# Altium PCB Stepper_Board.PcbDoc (part 1 of 2) (continued)
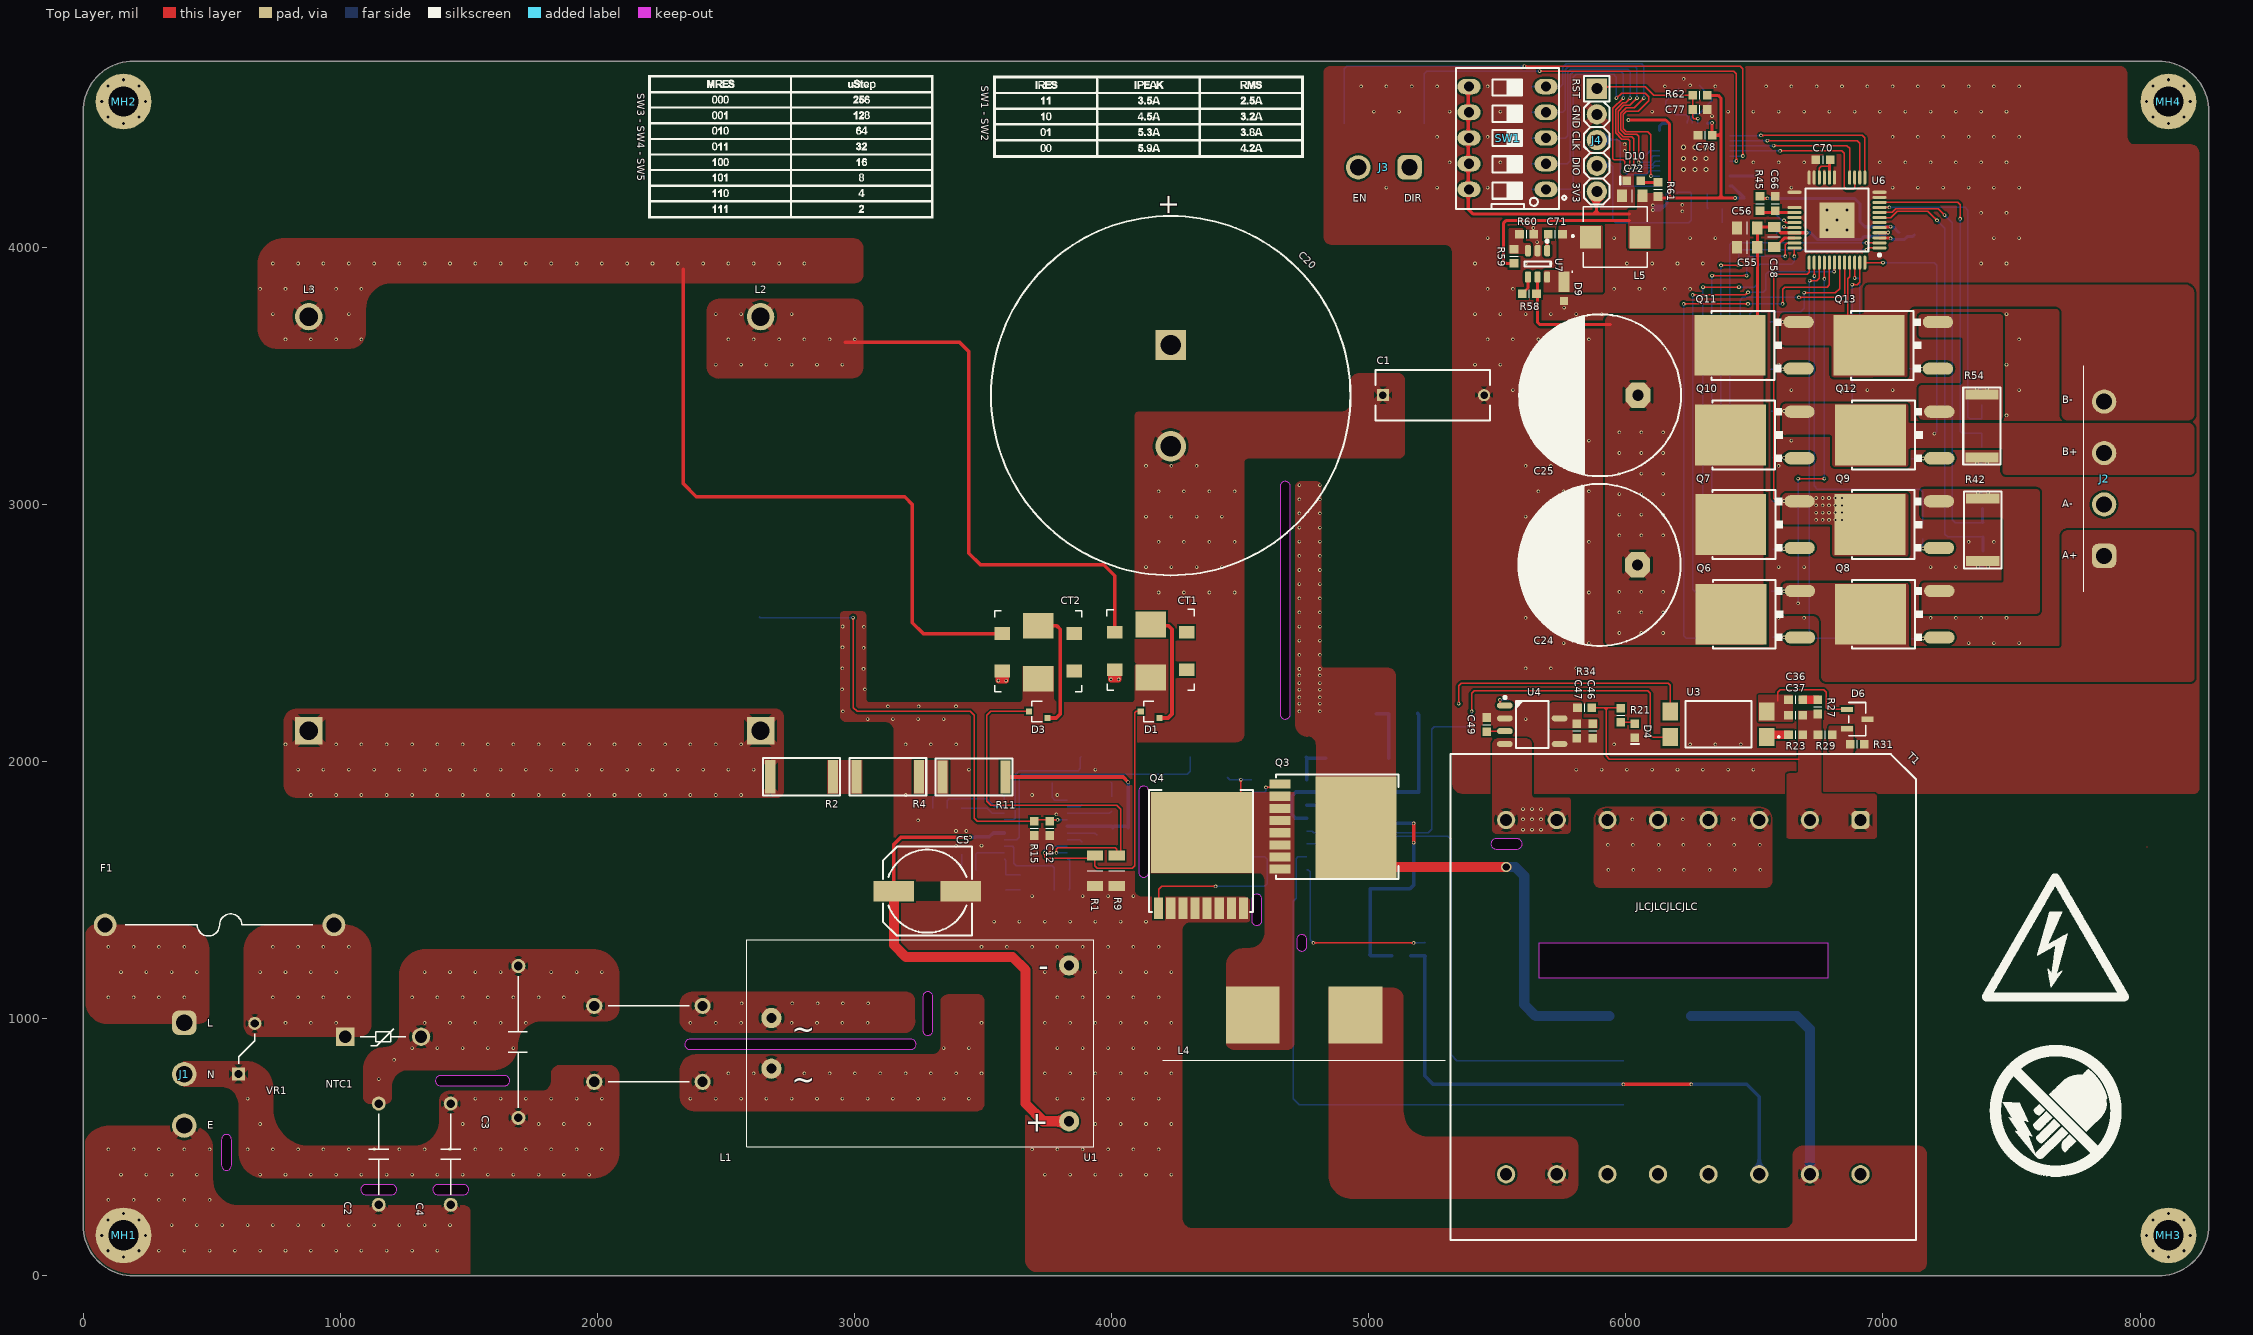
[diagram p0: Top Layer view]
## Footprints (in the part's own frame and the unit in brackets; to place one, negate y for a bottom-side part, rotate by r counter-clockwise, add the part's x,y. Pads: shape width x height; smd on the part's side, far side on the other; paste and mask are expansions set on the pad)
4-SMD_2 [mm] "Pitch 2.54mm"
  rect 1.52x1.78 smd: 1(-4.76,1.27) 2(-4.76,-1.27) 3(4.76,-1.27) 4(4.76,1.27)
  silkscreen extent -6.03,-2.29 3.25,2.29, body extent -5.08,-2.29 5.08,2.29, height 3.76
8-HSOF [mm] "8-HSOF"
  rect 0.9x2.1 smd: 1(0,0) 3(1.2,0) 3(2.4,0) 3(3.6,0) 3(4.8,0) 3(6,0) 3(7.2,0) 3(8.4,0)
  rect 10x8 smd: 2(4.25,7.5)
  silkscreen extent -0.95,-0.38 9.35,11.7, body extent -0.75,-0.83 9.15,10.85, height 2.3
8-SOIC [mm]
  rrect100% 1.55x0.6 smd: 1(-2.7,1.905) 2(-2.7,0.635) 3(-2.7,-0.635) 4(-2.7,-1.905) 5(2.7,-1.905) 7(2.7,0.635)
  rrect100% 1.55x0.6 on Mech1: 6(2.7,-0.635) 8(2.7,1.905)
  round 0.7 on Mech1: 28(-2.395,1.8)
  silkscreen extent -2.82,-2.3 1.61,2.82, body extent -3,-2.45 3,2.45, height 1.75
"14-SOIC (DDB)" [mm]
  oval 1.5x0.6 smd: 1(-2.7,4.445) 3(-2.7,1.905) 4(-2.7,0.635) 5(-2.7,-0.635) 6(-2.7,-1.905) 7(-2.7,-3.175) 8(-2.7,-4.445) 9(2.7,-4.445) 10(2.7,-3.175) 11(2.7,-1.905) 12(2.7,-0.635) 14(2.7,1.905) 15(2.7,3.175) 16(2.7,4.445)
  rrect50% 0.5x0.5 on Bottom Overlay: ""(-2.842,5.245)
  silkscreen extent -1.66,-4.44 1.6,4.54, body extent -3.01,-4.95 3.01,4.95, height 1.75
20-TSSOP [mm] "pitch 0.65 mm"
  oval 1.2x0.35 smd: 1(-3.1,2.925) 2(-3.1,2.275) 3(-3.1,1.625) 4(-3.1,0.975) 5(-3.1,0.325) 6(-3.1,-0.325) 7(-3.1,-0.975) 8(-3.1,-1.625) 9(-3.1,-2.275) 10(-3.1,-2.925) 11(3.1,-2.925) 12(3.1,-2.275) 13(3.1,-1.625) 14(3.1,-0.975) 15(3.1,-0.325) 16(3.1,0.325) 17(3.1,0.975) 18(3.1,1.625) 19(3.1,2.275) 20(3.1,2.925)
  round 0.5 on Mech1: ""(-2.8,2.8)
  silkscreen extent -3.22,-3.2 2,3.72, body extent -3.3,-3.3 3.3,3.3, height 1.2
48-TQFP [mm] "pitch 0.5 mm, power pad"
  round 0.7 hole 0.3 mask+0.102: 0(-1,1) 0(-1,-1) 0(0,0) 0(1,1) 0(1,-1)
  rect 3.5x3.5 smd: 0(0,0)
  oval 1.4x0.3 smd: 1(-4.2,2.75) 2(-4.2,2.25) 3(-4.2,1.75) 4(-4.2,1.25) 5(-4.2,0.75) 6(-4.2,0.25) 7(-4.2,-0.25) 8(-4.2,-0.75) 9(-4.2,-1.25) 10(-4.2,-1.75) 11(-4.2,-2.25) 12(-4.2,-2.75) 25(4.2,-2.75) 28(4.2,-1.25) 29(4.2,-0.75) 30(4.2,-0.25) 31(4.2,0.25) 32(4.2,0.75) 33(4.2,1.25) 34(4.2,1.75) 35(4.2,2.25) 36(4.2,2.75)
  oval 0.3x1.4 smd: 13(-2.75,-4.2) 14(-2.25,-4.2) 15(-1.75,-4.2) 16(-1.25,-4.2) 19(0.25,-4.2) 20(0.75,-4.2) 21(1.25,-4.2) 22(1.75,-4.2) 23(2.25,-4.2) 24(2.75,-4.2) 37(2.75,4.2) 38(2.25,4.2) 39(1.75,4.2) 40(1.25,4.2) 41(0.75,4.2) 42(0.25,4.2) 43(-0.25,4.2) 44(-0.75,4.2) 45(-1.25,4.2) 46(-1.75,4.2) 47(-2.25,4.2) 48(-2.75,4.2)
  oval 0.3x1.4 on Mech1: 17(-0.75,-4.2) 18(-0.25,-4.2)
  oval 1.4x0.3 on Mech1: 26(4.2,-2.25) 27(4.2,-1.75)
  round 0.5 on Mech1: ""(-4,4)
  silkscreen extent -4.33,-3.1 3.1,3.57, body extent -4.5,-4.5 4.5,4.5, height 1.2
744823601 [mm]
  round 1.6 hole 1: 1(0,0) 2(0,10.7) 3(7.5,10.7) 4(7.5,0)
  silkscreen extent 0,1.4 7.5,9.4, body extent -7.3,-3.15 14.8,13.85, height 26.51
691313510002 [mm] "5,08mm - PCB Headers - Horizontal - Closed ends - 02p"
  rrect50% 2.4x2.4 hole 1.6: 1(0,0)
  round 2.4 hole 1.6: 2(5.08,0)
  body extent -3.54,-19.88 8.62,2, height 15.35
691313510003 [mm] "5,08mm - PCB Headers - Horizontal - Closed ends - 03p"
  rrect50% 2.4x2.4 hole 1.6: 1(0,0)
  round 2.4 hole 1.6: 2(5.08,0) 3(10.16,0)
  body extent -3.54,-19.88 13.7,2, height 15.35
691313510004 [mm] "5,08mm - PCB Headers - Horizontal - Closed ends - 04p"
  rrect50% 2.4x2.4 hole 1.6: 1(0,0.1)
  round 2.4 hole 1.6: 2(5.08,0.1) 3(10.16,0.1) 4(15.24,0.1)
  silkscreen extent -3.54,2.1 18.78,2.1, body extent -3.54,-19.78 18.78,2.1, height 15.35
B72307S0271K101 [mm]
  rect 1.3x1.3 hole 0.8: 1(0,0)
  round 1.3 hole 0.8: 2(5,-1.6)
  silkscreen extent 1,-1.6 4,0, body extent -1.71,-2.88 6.79,1.52, height 14.66
C10MM [mm]
  rect 1.2x1.2 hole 0.75: 1(0,0)
  round 1.2 hole 0.75: 2(10,0)
  silkscreen extent -0.75,-2.5 10.6,2.5, body extent -0.4,-3 10.4,3, height 16
"CAP SMD 8" [mm] "Electrolytic Cap, Size E, Size F, 8.3X10"
  rect 4x2 smd: 1(-3.248,0.026) 2(3.352,0.026)
  Top Layer pour cut-out: 1.352,1.023 1.352,-0.973 -1.248,-0.973 -1.248,1.023
  silkscreen extent -4.35,-4.37 4.45,4.43, body extent -4.85,-4.22 4.85,4.28, height 10.3
"CAP: 10MM CERAMIC DISC" [mm]
  round 1.381 hole 0.85: 1(0,0) 2(10,0)
  silkscreen extent 1,-1 9,1, body extent -0.44,-2.5 10.44,2.5, height 15.12
"CAP: 10MM D: 35MM L: 25MM Snap In" [mm]
  rect 3x3 hole 2: 1(0,0)
  round 3 hole 2: 2(10,0)
  silkscreen extent -12.75,-17.75 22.75,17.75, body extent -12.98,-18 23,18, height 27.5
"CAP: 15MM FILM CAPACITOR" [mm]
  round 1.381 hole 0.85: 1(0,0) 2(15,0)
  silkscreen extent 1,-0.9 14,1, body extent -1.65,-2.61 16.65,2.6, height 11.1
"CAP: 0603" [mm]
  rect 0.85x0.85 smd: 1(-0.7,0) 2(0.7,0)
  Top Layer pour cut-out: -0.275,0.425 -0.275,-0.425 0.275,-0.425 0.275,0.425
  silkscreen extent 0,-0.4 0,0.4, body extent -0.8,-0.4 0.8,0.4, height 0.3
"CAP: 0805" [mm]
  rect 1x1.25 smd: 1(-1,0) 2(1,0)
  silkscreen extent 0,-0.62 0,0.63, body extent -1,-0.62 1,0.63, height 0.78
"CAP: 1206" [mm]
  rect 1x1.6 smd: 1(-1.5,0) 2(1.5,0)
  silkscreen extent 0,-0.77 0,0.77, body extent -1.6,-0.8 1.6,0.8, height 1
"CAP: 2220" [mm]
  rect 5x1.5 smd: 1(0,0) 2(0,-4.8)
  silkscreen extent -2.5,-3.75 2.5,-1, body extent -2.5,-5.25 2.5,0.45, height 2.3
"CAP: D16C7.5H25" [mm]
  oct 2.5x2.5 hole 1.1: 1(-3.75,0)
  round 2.5 hole 1.1: 2(3.75,0)
  silkscreen extent -8,-8 8,8, body extent -8.25,-8.25 8.25,8.25, height 27
"CON: PLS-5" [mm]
  rect 2x2 hole 1.1: 1(-5.08,0)
  round 2 hole 1.1: 2(-2.54,0) 3(0,0) 4(2.54,0) 5(5.08,0)
  silkscreen extent -6.35,-1.27 6.35,1.27, body extent -6.35,-1.27 6.35,1.27, height 8.54
"CT: PM2165.100NLT" [mm]
  rect 1.27x1.52 smd: 1(-1.85,-3.555) 3(1.85,-3.555) 4(1.85,3.555) 6(-1.85,3.555)
  rect 1.27x1.52 on Mech1: 2(0,-3.555) 5(0,3.555)
  rect 2.54x3.05 smd: 7(2.615,0) 8(-2.615,0)
  round 0.5 on Top Overlay: ""(-3.2,-3.8)
  silkscreen extent -4.1,-4.32 3.89,4.32, body extent -2.9,-4 2.9,4, height 5.08
D2PAK [mm]
  rect 4.5x1.3 smd: 1(1.5,2.5) 3(1.5,-2.5)
  rect 9.9x10.7 smd: 2(11,0)
  round 0.5 on Mech1: ""(0.5,4.5)
  silkscreen extent 5,-5 5.5,5, body extent 0,-5.08 15.26,5.08, height 4.99
DIPSW254_5 [mil]
  oval 90x60 hole 39.37: 1(-150,200) 2(-150,100) 3(-150,0) 4(-150,-100) 5(-150,-200) 6(150,-200) 7(150,-100) 8(150,0) 9(150,100) 10(150,200)
  silkscreen extent -228,-272 201,276, body extent -195,-268 195,272, height 276
DO-219AD-2 [mm]
  rect 2x1.1 smd: 1(-0.65,0)
  rect 0.8x0.8 smd: 2(1.25,0)
  silkscreen extent -1.7,0.75 -1.6,0.85, body extent -1.25,-0.65 1.25,0.65, height 0.68
DPAK_3 [mm] "D-PAK (TO-252), 3-Pads, Body 6.2x6.7mm"
  oval 1.2x3 smd: 1(-2.22,-3.3) 3(2.38,-3.3)
  rect 6x7 smd: 4(0.08,3.5)
  silkscreen extent -3.32,-1.67 3.48,5.3, body extent -3.29,-3.8 3.45,6.3, height 2.37
"FUSE HOLDER 5X20MM" [mm]
  round 2.25 hole 1.5: 1(0,0) 2(22.6,0)
  silkscreen extent 2,-1.1 20.5,1.1, body extent -0.9,-4.7 23.5,4.7, height 11.45
HLK-PM01 [mm]
  round 2 hole 1: 1(0,0) 2(0,-5) 3(29.4,5.2) 4(29.4,-10.2)
  silkscreen extent -2.45,-12.73 31.84,7.73, body extent -2.32,-12.6 31.68,7.6, height 15.23
"IND: ATCA-08-251M-H" [mm]
  rect 2.7x2.7 hole 1.8: 1(0,0)
  round 2.7 hole 1.8: 2(0,40.9)
  body extent -21.21,-0.8 21.21,41.7, height 21.66
"IND: PQ2614BLA100K" [mm]
  rect 5.33x5.59 smd: 1(-5.1,-12.128) 2(5.05,-12.128)
  rect 6.35x5.28 on Mech1: 3(-0.025,9.947)
  silkscreen extent -13.98,-7.67 13.92,-7.67, body extent -13.4,-14.75 13.4,12.42, height 15.1
"LED: 0603G" [mm]
  rect 0.85x0.85 smd: 1(-0.7,0) 2(0.7,0)
  silkscreen extent -1.33,-0.4 -1.33,0.4, body extent -0.8,-0.4 0.8,0.4, height 0.6
"LED: 0603R" [mm]
  rect 0.85x0.85 smd: 1(-0.7,0) 2(0.7,0)
  silkscreen extent -1.33,-0.4 -1.33,0.4, body extent -0.8,-0.4 0.8,0.4, height 0.6
"LED: 0603Y" [mm]
  rect 0.85x0.85 smd: 1(-0.7,0) 2(0.7,0)
  silkscreen extent -1.33,-0.4 -1.33,0.4, body extent -0.8,-0.4 0.8,0.4, height 0.6
"M3 MOUNTING HOLE" [mm]
  round 5.5 hole 3: 1(0,0)
MDH6045C [mm]
  rect 2.1x2.2 smd: 1(-2.45,0) 2(2.45,0)
  silkscreen extent -4.3,-3 3.15,3, body extent -3.15,-3.05 3.15,2.95, height 4.78
"NTC RADIAL: 7.5X1MM" [mm]
  rect 1.8x1.8 hole 1.2: 1(0,0)
  round 1.8 hole 1.2: 2(7.5,0)
  silkscreen extent 1.5,-0.9 6,0.8, body extent -5,-4 12.5,4, height 23.1
"OSC: 2016" [mm]
  rect 0.7x0.7 smd: 1(-0.8,-0.6) 2(-0.8,0.6) 3(0.8,0.6) 4(0.8,-0.6)
  round 0.5 on Bottom Overlay: ""(-0.762,-1.397)
  body extent -1,-0.8 1,0.8, height 0.65
"RES: 0603" [mm]
  rect 0.85x0.85 smd: 1(-0.7,0) 2(0.7,0)
  Top Layer pour cut-out: -0.275,0.425 -0.275,-0.425 0.275,-0.425 0.275,0.425
  silkscreen extent 0,-0.4 0,0.4, body extent -0.8,-0.4 0.8,0.4, height 0.44
"RES: 1206" [mm]
  rect 1x1.6 smd mask+0.07: 1(-1.5,0) 2(1.5,0)
  silkscreen extent 0,-0.77 0,0.77, body extent -1.65,-0.8 1.55,0.8, height 0.47
"RES: 2512" [mm]
  rect 1x3.3 smd: 1(-3.1,0) 2(3.1,0)
  silkscreen extent -3.8,-1.85 3.8,1.85, body extent -3.17,-1.6 3.18,1.6, height 0.52
SOT23(TO-236AB)_NEX [mil]
  rect 21x46 smd paste+0 mask+0: 1(-37.4,-40) 2(37.4,-40) 3(0,40)
  silkscreen extent -65,-33 64,33, body extent -59,-49 59,49, height 43
SOT23-6 [mm] "pitch 0.95 mm"
  rrect50% 1.1x0.6 smd: 1(-1.3,0.95) 2(-1.3,0) 3(-1.3,-0.95) 4(1.3,-0.95) 5(1.3,0) 6(1.3,0.95)
  round 0.5 on Mech1: ""(-1,1.1)
  silkscreen extent -2.36,-1.3 0.25,1.3, body extent -1.4,-1.45 1.4,1.45, height 1.45
SOT23_3 [mm]
  rrect50% 1.2x0.7 smd mask+0.1: 1(-1.3,1) 2(-1.3,-1) 3(1.3,0)
  silkscreen extent -0.8,-1.6 0.8,1.6, body extent -1.32,-1.5 1.32,1.5, height 1.08
SOT323 [mm]
  rect 0.6x0.6 smd: 1(-0.65,-0.925) 3(0,0.925)
  rect 0.6x0.6 on Mech1: 2(0.65,-0.925)
  silkscreen extent -1,-0.38 1,0.63, body extent -1,-1.05 1,1.05, height 1.09
STM32F411CEU6 [mm] "QFN, 48-Leads, Body 7.00x7.00mm, Pitch 0.50mm, Thermal Pad 5.80x5.80mm, IPC Medium Density"
  rrect50% 0.7x0.3 smd: 1(-3.47,2.75) 5(-3.47,0.75) 6(-3.47,0.25) 7(-3.47,-0.25) 8(-3.47,-0.75) 9(-3.47,-1.25) 28(3.47,-1.25) 34(3.47,1.75) 35(3.47,2.25) 36(3.47,2.75)
  rrect50% 0.7x0.3 on Mech1: 2(-3.47,2.25) 3(-3.47,1.75) 4(-3.47,1.25) 10(-3.47,-1.75) 11(-3.47,-2.25) 12(-3.47,-2.75) 25(3.47,-2.75) 26(3.47,-2.25) 27(3.47,-1.75) 29(3.47,-0.75) 30(3.47,-0.25) 31(3.47,0.25) 32(3.47,0.75) 33(3.47,1.25)
  rrect50% 0.3x0.7 on Mech1: 13(-2.75,-3.47) 20(0.75,-3.47) 21(1.25,-3.47) 38(2.25,3.47) 45(-1.25,3.47) 46(-1.75,3.47)
  rrect50% 0.3x0.7 smd: 14(-2.25,-3.47) 15(-1.75,-3.47) 16(-1.25,-3.47) 17(-0.75,-3.47) 18(-0.25,-3.47) 19(0.25,-3.47) 22(1.75,-3.47) 23(2.25,-3.47) 24(2.75,-3.47) 37(2.75,3.47) 39(1.75,3.47) 40(1.25,3.47) 41(0.75,3.47) 42(0.25,3.47) 43(-0.25,3.47) 44(-0.75,3.47) 47(-2.25,3.47) 48(-2.75,3.47)
  rect 5.8x5.8 smd: 49(0,0)
  silkscreen extent -3.99,-3.7 3.7,3.97, body extent -3.55,-3.55 3.55,3.55, height 0.6
TBSG-4 [mm]
  rect 2x2.4 smd: 1(2.9,4.3) 2(2.9,-4.3) 3(-2.9,-4.3) 4(-2.9,4.3)
  silkscreen extent -4.45,-3.2 4.45,3.2, body extent -4.45,-5.3 4.45,5.3, height 1.85
WE-LLCR_ETD44 [mm] "Resonant Converter, body 48x46mm"
  rrect50% 1.8x1.8 hole 1.2: 1(-17.5,17.5)
  round 1.8 hole 1.2: 2(-17.5,12.5) 3(-17.5,7.5) 4(-17.5,2.5) 5(-17.5,-2.5) 6(-17.5,-7.5) 7(-17.5,-12.5) 8(-17.5,-17.5) 9(17.5,-17.5) 10(17.5,-12.5) 11(17.5,-7.5) 12(17.5,-2.5) 13(17.5,2.5) 14(17.5,7.5) 15(17.5,12.5) 16(17.5,17.5)
  Keep-Out Layer board cut-out: -5.35,14.25 -1.85,14.25 -1.85,-14.25 -5.35,-14.25
  silkscreen extent -24,-23 24,23, body extent -23.3,-22 23.3,22, height 26.85

## Part data
C1: library part CD45-E2GA222M-NKA, "Safety Capacitors D: 9mm X1/Y1 2200pF E 20% LS:10mm", Supplier Part Number 1=810-CD45-E2GA222MNKA, Supplier 1=Mouser
C2 C4: library part VY1222M43Y5UC63V0, "Safety Capacitors 2200pF X760 Y500VAC 20% Y5U", Supplier Part Number 1=72-VY1222M43Y5UC63V0, Supplier 1=Mouser
C3: library part R46KI310050M1M, "Safety Capacitors 275vac 0.1uF 20%", Supplier Part Number 1=80-R46KI310050M1M, Supplier 1=Mouser
C5: library part EDK107M050A9MAA, "Aluminium Electrolytic Capacitors - SMD 50V 100uF 20%", Supplier Part Number 1=80-EDK107M050A9MAA, Supplier 1=Mouser
C6 C7 C8 C9 C10 C11 C12 C13 C14 C15 C21 C22 C23 C28 C33 C34 C35 C36 C37 C38 C39 C45 C46 C47 C49 C51 C52 C53 C60 C62 C63 C64 C66 C69 C70 C71 C73 C74 C75 C76 C77 C78 C79 C80 C81: library part "CAP 0603", "CAP SMD 0603"
C16 C17 C18 C19: library part GR355XD7LP105KW05L, "Multilayer Ceramic Capacitors MLCC - SMD/SMT 1 uF 450 VDC 10% 2220 X7T", Supplier Part Number 1=81-GR355X7LP105KW05L, Supplier 1=Mouser
C20: library part ESMR451VSN331MA25S, "Aluminium Electrolytic Capacitors - Snap In 450V 330uF 20% Tol.", Supplier Part Number 1=661-ESMR451N331MA25S, Supplier 1=Mouser
C24 C25: library part ESK477M100AM7AA, "Aluminium Electrolytic Capacitors - Radial Leaded 100V 470uF 85C 2k Hour Radial", Supplier Part Number 1=80-ESK477M100AM7AA, Supplier 1=Mouser
C26 C27 C40 C54 C55 C56 C57 C58 C59 C61 C65 C67 C68 C72: library part "CAP 0805", "CAP SMD 0805"
C29 C30 C31 C32 C41 C42 C43 C44 C50: library part "CAP 1206", "CAP SMD 1206"
C48: library part VJ1206A101JXGCW1HV, "Multilayer Ceramic Capacitors MLCC - SMD/SMT 1206 100pF 5 % 1000V NP0", Supplier Part Number 1=77-VJ1206A101JXGAT5Z, Supplier 1=Mouser
CT1 CT2: "Current Transformers 2mH 1000V AEC-Q200 20A DCR=0.75mOhms", Supplier Part Number 1=673-PM2165.100NLT, Supplier 1=Mouser
D1 D3: "Schottky Diodes & Rectifiers 30V 200mW Dual", Supplier Part Number 1=863-BAT54SWT1G, Supplier 1=Mouser
D2: library part VS-HFA16TA60CS-M3, "Schottky Diodes & Rectifiers 600V 16A TO-263 HexFred", Supplier Part Number 1=78-VS-HFA16TA60CS-M3, Supplier 1=Mouser
D4: library part "LED GREEN 0603", "LED GREEN CLEAR 0603 SMD"
D5 D7 D9: "Schottky Diodes & Rectifiers 150V 1A TMBS MicroSMP", Supplier Part Number 1=78-V1PM15-M3/H, Supplier 1=Mouser
D6: "Shunt Voltage Reference IC Adjustable 2.495V 36 VV ±1% 100 mA TO-236AB", Supplier Part Number 1=771-TL431AQDBZR215, Supplier 1=Mouser
D8: "ESD Protection Diodes / TVS Diodes ESD 5V BI", Supplier Part Number 1=771-PESD5V0U2BTT/R, Supplier 1=Mouser
D10: library part "LED RED 0603", "LED RED CLEAR 0603 SMD"
D11: library part "LED YELLOW 0603", "LED YELLOW CLEAR 0603 SMD"
F1: library part 0PTF0078P, "Fuse Holder 5X20MM Pitch 22/7 UL94V0 Open", Supplier Part Number 1=576-0PTF0078P, Supplier 1=Mouser
J1: library part 691313510003, "Pluggable Terminal Blocks WR-TBL 300VAC 20A 3P Right Angle", Supplier Part Number 1=710-691313510003, Supplier 1=Mouser
J2: library part 691313510004, "Pluggable Terminal Blocks WR-TBL 300VAC 20A 4P Right Angle", Supplier Part Number 1=710-691313510004, Supplier 1=Mouser
J3: library part 691313510002, "Pluggable Terminal Blocks WR-TBL 300VAC 20A 2P Right Angle", Supplier Part Number 1=710-691313510002, Supplier 1=Mouser
L1: library part 744823601, "Common Mode Chokes / Filters WE-CMB Choke Type M 1mH 6A 13mOhm", Supplier Part Number 1=710-744823601, Supplier 1=Mouser
L2 L3: library part ATCA-08-251M-H, "FIXED IND 250UH 10A 27 MOHM TH", Supplier Part Number 1=815-ATCA-08-251M-H, Supplier 1=Mouser
L4: library part PQ2614BLA-100K, "Power Inductors - SMD 10uH 10% 30A AEC-Q200 GULL WING", Supplier Part Number 1=652-PQ2614BLA-100K, Supplier 1=Mouser
L5: library part MDH6045C-470MA=P3, "Power Inductors - SMD 47uH 208mOhms 20 % 1A AEC-Q200", Supplier Part Number 1=81-MDH6045C-470MA=P3, Supplier 1=Mouser
MH1 MH2 MH3 MH4: library part "Mounting Hole M3", "Mounting Hole M3 Screw"
NTC1: "NTC (Negative Temperature Coefficient) Thermistors 15 dia Power NTC 6ohm Y kink bulk", Supplier Part Number 1=652-BN-LG15Y6R0MYB, Supplier 1=Mouser
Q1 Q2: "MOSFETs 600V CoolMOS CM8 Power Transistor", Supplier Part Number 1=726-IPT60R099CM8XTMA, Supplier 1=Mouser
Q3 Q4: "MOSFET N-CH 600V 8A 8HSOF", Supplier Part Number 1=726-IPT60R065S7XTMA1, Supplier 1=Mouser
Q5 Q6 Q7 Q8 Q9 Q10 Q11 Q12 Q13: "MOSFETs N-Ch 60V 45A DPAK-2", Supplier Part Number 1=726-IPD053N06NATMA1, Supplier 1=Mouser
R1 R9: library part CSRT1206FT5R00, "Current Sense Resistors - SMD 5Ohms 1206 1W 1% Thin Curr Sens AEC-Q200", Supplier Part Number 1=708-CSRT1206FT5R00, Supplier 1=Mouser
R2 R3 R4 R10 R11 R12 R22 R24 R28: library part "RES 2512", "RES SMD 2512"
R5 R6 R7 R8 R13 R14 R15 R16 R17 R18 R19 R20 R21 R23 R25 R26 R27 R29 R30 R31 R32 R33 R34 R40 R41 R43 R44 R45 R46 R47 R48 R49 R50 R51 R52 R53 R55 R56 R57 R58 R59 R60 R61 R62 R63 R64 R65 R66 R67 R68 R69: library part "RES 0603", "RES SMD 0603"
R35 R36 R37 R38: library part CRCW251216K9FKEG, "Thick Film Resistors CRCW2512 100 16K9 1% E67 e3", Supplier Part Number 1=71-CRCW251216K9FKEG, Supplier 1=Mouser
R39: library part "RES 1206", "RES SMD 1206"
R42 R54: library part TLRP3A20WR050FTE, "Current Sense Resistors - SMD TLRP 2512 2.0W R050 1% 75PPM 4K RL", Supplier Part Number 1=279-TLRP3A20WR050FTE, Supplier 1=Mouser
RECT1: library part TBSA60M-TP, "Bridge Rectifiers BRIDGE RECTIFIERS 1000V 6A, TBSG", Supplier Part Number 1=833-TBSA60M-TP, Supplier 1=Mouser
SW1: library part "DIP SW_5", "DIP Switch 5"
T1: library part 760895741, "WE-LLCR Resonant Converter, THT, ETD44, 360-400Vin, 24Vout, 250W", Auxiliary Voltage=16V, Case/Size Code=ETD44, Inductance=400uH, Input Voltage=360-400V, Leakage Inductance=65uH, Manufacturer="Wurth Elektronik", Operating Temperature Max=125°C, Operating Temperature Min=-40°C, Output Current=10.4A, Output Power=250W, Output Voltage=24V, Saturation Current=4.3A, Switching Frequency=70-120kHz, Category="Transformers For AC-DC Converter", ComponentLink1Description="Website Link", ComponentLink1URL=https://www.we-online.com/redexpert/article/760895741?ad, ComponentLink2Description="Datasheet Link", ComponentLink2URL=https://www.we-online.com/redexpert/spec/760895741?ad, Height=27.5mm, Length=48mm, Manufacturer Part Number=760895741, Match Code=WE-LLCR, Mount="Through Hole", Packaging=Tray, Turns Ratio=27:3:3:2, Width=46mm
U1: "AC-DC Module 3W 220Vac to 12Vdc", Supplier Part Number 1=C209905, Supplier 1=LCSC
U2: "Power Factor Correction - PFC 2Phase Interleaved C CM PFC Controller A 595-UCC28070PW", Supplier Part Number 1=595-UCC28070PWR, Supplier 1=Mouser
U3: "Transistor Output Optocouplers Phototransistor Out CTR 100-200%", Supplier Part Number 1=78-VO618A-3X017T, Supplier 1=Mouser
U4: "Gate Drivers High-frequency dual synchronous rectifi A 595-UCC24624DT", Supplier Part Number 1=595-UCC24624DR, Supplier 1=Mouser
U5: "Switching Controllers LLC resonant control ler with ultra-low s A 595-UCC256402ADDBT", Supplier Part Number 1=595-UCC256402ADDBR, Supplier 1=Mouser
U6: "Motor/Motion/Ignition Controllers & Drivers Stepper motor cDriver 8 to 60V, for external N-Fets with S/D and SPI Interface, 256 Steps, SixPoint ramp controller, CoolStep, StallGuard2, SpreadCycle and StealthChop2", Supplier Part Number 1=700-TMC5160A-TA-T, Supplier 1=Mouser
U7: "Switching Voltage Regulators 4.5-V to 60-V 600-m A buck converter in A 595-LV2862XLVDDCT", Supplier Part Number 1=595-LV2862XLVDDCR, Supplier 1=Mouser
U8: "IC MCU 32BIT 512KB FLSH 48UFQFPN", Case/Package=UFQFPN, Frequency=100MHz, Manufacturer=STMicroelectronics, Max Operating Temperature=85°C, Max Power Dissipation=625mW, Max Supply Voltage=3.6V, Min Operating Temperature=-40°C, Min Supply Voltage=1.7V, Operating Supply Voltage=3.3V, Package Quantity=1560, Supplier Part Number 1=497-14907-ND, Core Architecture=ARM, Data Bus Width=32b, Interface=I2C,SPI,USB,IrDA,MMC,SDIO,SD,UART,USART,LIN,I2S, Lead Free="Lead Free", Length=7mm, Manufacturer Part Number=STM32F411CEU6, Max Frequency=100MHz, Memory Size=512KB, Memory Type=FLASH, Mount="Surface Mount", Number of ADC Channels=16, Number of I/Os=36, Number of Pins=48, Number of Programmable I/O=36, Number of Timers/Counters=8, Oscillator Type=Internal, Packaging=Tray, Peripherals="Brown-out Detect/Reset,POR,PWM,WDT,DMA", Radiation Hardening=No, RAM Size=128KB, REACH SVHC="No SVHC", RoHS Compliant=Yes, Supplier 1=Digi-Key, Watchdog Timer=Yes, Width=7mm
VR1: library part B72307S0271K101, "Varistors 7mm, 275Vac, 10%, Compact Series", Supplier Part Number 1=871-B72307S0271K101, Supplier 1=Mouser
Y1: library part XC2119DKR-ND, "CRYSTAL 16.0000MHZ 10PF SMD", Supplier Part Number 1=520-160-10-37-RWM-T, Supplier 1=Mouser

## Via types
v1: diameter 13.78, hole 7.87, Top Layer to Bottom Layer, tented both sides, 799 vias
v2: diameter 23.62, hole 11.81, Top Layer to Bottom Layer, 32 vias
v3: diameter 19.68, hole 11.81, Top Layer to Bottom Layer, tented both sides, 9 vias
v4: diameter 39.37, hole 28, Top Layer to Bottom Layer, tented both sides, 1 vias
v5: diameter 13.78, hole 10, Top Layer to Bottom Layer, tented both sides, 1 vias

## Nets (pads, with @x,y where several pads share a name; then routed paths per layer and width w, separated by ;. In a path a pad name is that pad's centre, name@x,y a point inside that pad or via, vN(x,y) a via of type N, cw(c..) or ccw(c..) an arc to the next point about the centre after c; other vN are vias at no path point)
3V3: C72.2 C73.2 C74.2 C75.2 C76.2 C78.1 J4.5 L5.2 R59.2 R61.1 R62.1 SW1.6 SW1.7 SW1.8 SW1.9 SW1.10 U8.1 U8.9 U8.24 U8.36 U8.48 | length 3656.4
  Top Layer w11.81: SW1.6@5387.12,4634.71 5387.12,4147.88 5405,4130 5875,4130 ; R59.2@5565,3937.44 5532.56,3937.44 5525,3945 5525,4095 5535,4105 6015,4105 ; J4.5@5887.14,4224.12 5885,4221.97 5885,4140 ; v1(6010,4495) 6155,4495 6170,4480 6170,4201.75 ; 6015,4130 5895,4130 ; R61.1@6125,4197.44 6130.69,4191.75 6160,4191.75 ; R62.1@6315.83,4590.83 6359.17,4590.83 6370,4580 6370,4445 ; v1(6335.83,4484.17) C78.1@6335.83,4435.83 6360.83,4435.83 ; v1@6424.5,4191.75 6380,4191.75 ; 5875,4130 5895,4130 ; 5875,4130 5885,4140 ; 5885,4140 5895,4130 ; 6160,4191.75 6180,4191.75 ; 6160,4191.75 6170,4201.75 ; 6170,4201.75 6180,4191.75 ; 6180,4191.75 6360,4191.75 ; 6360,4191.75 6380,4191.75 ; 6360,4191.75 6370,4201.75 ; 6360.83,4435.83 6370,4426.65 ; 6360.83,4435.83 6369.17,4435.83 6370,4435 ; 6360.83,4435.83 6370,4445 ; 6370,4201.75 6370,4426.65 ; 6370,4201.75 6380,4191.75 ; 6370,4426.65 6370,4435 ; 6370,4435 6370,4445
  Bottom Layer w11.81: U8.48@6131.65,4454.09 6131.65,4471.65 6142.44,4482.44 U8.1@6160,4482.44 ; U8.36@6160,4209.21 6160,4170.12 C76.2@6149.88,4160 ; U8.9@6317.48,4482.44 6317.48,4484.17 v1(6335.83,4484.17) ; U8.24@6404.88,4237.56 6414.88,4237.56 C74.2@6460,4192.44 6458.83,4191.27 6426.05,4191.27 6425.57,4191.75 v1(6425.04,4191.75) ; 6105,4152.5 6105,4163.06 v1(6105.17,4163.22) 6105.7,4163.22 6108.92,4160 C76.2@6149.88,4160 ; 6105,4152.5 v1(6105,4145) 6134.88,4145 C76.2@6140.71,4150.83 ; 6105,4152.5 6139.04,4152.5 C76.2@6140.71,4150.83 ; C76.2@6140.71,4150.83 C76.2@6149.88,4160
5VOUT: C63.2 R45.2 U6.5 | length 684.1
  Top Layer w11.81: R45.2@6521.71,4197.79 6529.12,4190.38 6549.62,4190.38 v1(6550,4190) ; U6.5@6986.44,4076.33 7008.09,4076.33 7010.96,4079.2 7015.05,4079.2 7015.47,4079.62 7029.62,4079.62 v1(7030,4080)
  Bottom Layer w11.81: v1(6550,4190) 6890,4190 6910,4170 6910,4100 6930,4080 v1(7030,4080) 7030.38,4079.62 7039.76,4079.62 C63.2@7061.71,4057.67
12VOUT: C62.2 U6.3 | length 144.9
  Top Layer w11.81: U6.3@6986.44,4036.96 7008.09,4036.96 7009.67,4035.38 7029.62,4035.38 v1(7030,4035)
  Bottom Layer w11.81: v1@7030.38,4034.62 7030.91,4034.62 7035.5,4030.03 7082.96,4030.03 7094.18,4041.25 7115.3,4041.25 C62.2@7121.71,4047.67
BCK_CB: C71.2 U7.1 | length 65.7
  Top Layer w11.81: U7.1@5694.09,3986.81 5694.09,4046.28 C71.2@5698.52,4050.71
BCK_FB: R59.1 R60.2 U7.3
BCK_SHDN: R58.1 U7.4 | length 73.5
  Top Layer w11.81: R58.1@5597.44,3820 5619.29,3841.85 U7.4@5619.29,3884.45
BCK_SW: C71.1 D9.1 L5.1 U7.6
BLK_1: R22.1 R24.2
BLK_2: R24.1 R28.2
BOOT0: R63.2 U8.44 | length 63.9
  Bottom Layer w5: R63.2@6075.83,4355.83 6095.35,4375.35 U8.44@6131.65,4375.35
CA1: C68.1 U6.42 | length 2033.8
  Top Layer w5: v1(6260,3815) 6465,3815 v1(6475,3825) ; v1(6810,3905) 6810.62,3905.62 6810.62,3939.88 U6.42@6811.24,3940.5
  Bottom Layer w5: v1(6260,3815) 6260,2670 6270,2660 C68.1@6485.87,2660 ; v1(6475,3825) 6535,3825 6545,3835 6545,3895 6555.45,3905.45 6765.61,3905.45 6766.06,3905 v1(6810,3905)
CA2: C67.1 U6.35 | length 1457.7
  Top Layer w5: v1(6335,3890) v1(6470,3890) ; v1(6620,3965) 6620,4010 6626.2,4016.2 6654.65,4016.2 U6.35@6655.73,4017.27
  Bottom Layer w5: v1(6335,3890) 6335,3025 6345,3015 C67.1@6485.63,3015 ; v1(6470,3890) 6470,3955 6480,3965 v1(6620,3965)
CAOA: C15.2 C22.2 U2.12 | length 176.1
  Bottom Layer w5: C22.2@3475,1577.56 3472.56,1580 C15.2@3472.56,1640 3477.99,1645.43 U2.12@3582.95,1645.43
CAOA_CR: C15.1 R20.2 | length 63.5
  Bottom Layer w5: R20.2@3415,1577.56 3417.44,1580 C15.1@3417.44,1640
CAOB: C14.2 C21.2 U2.11 | length 121.3
  Bottom Layer w5: U2.11@3582.95,1619.84 cw(c3582.95,1615.24) 3587.56,1615.24 C21.2@3587.56,1560 3642.56,1560 cw(c3642.56,1557.56) C14.2@3645,1557.56
CAOB_CR: C14.1 R19.2 | length 58.8
  Bottom Layer w5: R19.2@3587.56,1500 cw(c3590,1500) 3590,1502.44 C14.1@3645,1502.44
CB1: C61.1 U6.2 | length 1304.5
  Top Layer w5: v1(6935,4017.27) U6.2@6986.44,4017.27
  Bottom Layer w5: C61.1@6485.87,3365 6415,3365 6405,3375 6405,4010 6412.27,4017.27 v1(6935,4017.27)
CB2: C59.1 U6.43 | length 560
  Top Layer w5: v1(6693.09,3823.45) 6815.29,3823.45 6830.92,3839.09 U6.43@6830.92,3940.5
  Bottom Layer w5: C59.1@6480.87,3708.37 6480.87,3740.87 6490,3750 6680,3750 6693.09,3763.09 v1(6693.09,3823.45)
CDR: C6.1 U2.1 | length 118.6
  Bottom Layer w5: C6.1@3769.65,1917.31 3769.65,1860.35 3779.84,1850.16 U2.1@3827.05,1850.16
Chassis: C2.1 C4.2 J1.3 MH1.1
  other v1: 295.28,98.43 393.7,98.43 492.13,98.43 590.55,98.43 688.98,98.43 787.4,98.43 885.83,98.43 984.25,98.43 1082.68,98.43 1181.1,98.43 1279.53,98.43 1377.95,98.43 344.49,196.85 442.91,196.85 541.34,196.85 639.76,196.85 738.19,196.85 836.61,196.85 935.04,196.85 1033.46,196.85 1131.89,196.85 1230.32,196.85 1328.74,196.85 1427.17,196.85 98.43,295.28 196.85,295.28 295.28,295.28 393.7,295.28 492.13,295.28 147.64,393.7 246.06,393.7 344.49,393.7 442.91,393.7 98.43,492.13 196.85,492.13 295.28,492.13 393.7,492.13 492.13,492.13
  other v2: 157.48,72.83 97.63,97.62 217.33,97.62 72.83,157.48 242.13,157.48 97.63,217.34 217.33,217.34 157.48,242.13
CSA: D3.3 R9.2 U2.9 | length 1546.7
  Top Layer w5: D3.3@3678.58,2195 3530,2195 3515,2180 3515,1845 3530,1830 4020,1830 4035,1815 4035,1649.06 R9.2@4020,1634.06 4020,1660 4015,1665 3790,1665 3785,1660 v1(3785,1645)
  Bottom Layer w5: v1(3785,1645) 3785.43,1645.43 U2.9@3827.05,1645.43
CSB: D1.3 R1.2 U2.8 | length 1148.3
  Top Layer w5: v1(3740,1645) 3740,1630 3745,1625 3925.94,1625 R1.2@3935,1634.06 3935,1595 3945,1585 4080,1585 4090,1595 4090,2190 4095,2195 D1.3@4113.57,2195
  Bottom Layer w5: v1(3740,1645) 3740.18,1645.18 3740.18,1665.18 3746.02,1671.02 U2.8@3827.05,1671.02
DMAX_PFC: R5.2 U2.20 | length 339.7
  Bottom Layer w5: R5.2@3305,1817.56 3305,1860 3315,1870 3575,1870 3582.95,1862.05 U2.20@3582.95,1850.16
DRV_CPI: C57.2 U6.32 | length 82.9
  Top Layer w5: v1(6615,4080) 6617.38,4080 6621.05,4076.33 U6.32@6655.73,4076.33
  Bottom Layer w5: C57.2@6585.08,4054.22 6585.08,4054.31 6598.82,4068.04 6598.91,4068.04 6609.19,4078.32 6613.32,4078.32 v1(6615,4080)
DRV_CPO: C57.1 U6.31 | length 92.9
  Top Layer w5: v1(6615,4105) 6623.99,4096.01 U6.31@6655.73,4096.01
  Bottom Layer w5: C57.1@6576.71,4129.6 6581.63,4129.6 6605.68,4105.55 6614.45,4105.55 v1(6615,4105)
DRV_VCC: C66.2 R45.1 U6.29 | length 137
  Top Layer w11.81: R45.1@6521.71,4142.67 6529,4135.38 U6.29@6655.73,4135.38
DRV_VCP: C58.1 U6.34 | length 85.4
  Top Layer w11.81: C58.1@6584.24,4003.51 6584.29,4003.51 6595.41,4014.64 6595.41,4014.69 6617.69,4036.96 U6.34@6655.73,4036.96
FLY_LED: D4.2 R21.1 | length 57.8
  Top Layer w5: R21.1@5980,2152.44 6030.12,2152.44 cw(c6030.12,2147.56) D4.2@6035,2147.56
GDA: Q1.1 U2.14 | length 1027.9
  Bottom Layer w5: U2.14@3582.95,1696.61 3631.61,1696.61 3640,1705 3640,1940 3650,1950 4293.38,1950 4305,1961.62 4305,2019.02 Q1.1@4305.71,2019.72
GDB: Q2.1 U2.17 | length 525.6
  Bottom Layer w5: U2.17@3582.95,1773.39 3618.39,1773.39 3625,1780 3625,1949.63 3640.37,1965 3870,1965 3878.81,1973.81 3878.81,2016.22 Q2.1@3882.32,2019.72
HA1: R50.2 U6.41 | length 2298.5
  Top Layer w5: v1(6225,3780) v1(6475,3780) ; v1(6610,3780) 6610,3836.31 6618.69,3845 6782.92,3845 6791.55,3853.63 U6.41@6791.55,3940.5
  Bottom Layer w5: v1(6225,3780) 6225,2490 6235,2480 R50.2@6512.44,2480 ; v1(6475,3780) v1(6610,3780)
HA2: R49.2 U6.36 | length 1711.9
  Top Layer w5: v1(6300,3845) v1(6440,3845) ; v1(6655,3965) 6655,3996.86 U6.36@6655.73,3997.59
  Bottom Layer w5: v1(6300,3845) 6300,2840 6310,2830 R49.2@6512.44,2830 ; v1(6440,3845) 6500,3845 6510,3855 6510,3925 6520,3935 6645,3935 6655,3945 v1(6655,3965)
HB1: R43.2 U6.1 | length 1555.3
  Top Layer w5: v1(6370,3930) v1(6440,3930) ; v1(6935,3990) 6942.59,3997.59 U6.1@6986.44,3997.59
  Bottom Layer w5: v1(6370,3930) 6370,3195 6380,3185 R43.2@6512.44,3185 ; v1(6440,3930) 6440,3980 6450,3990 v1(6935,3990)
HB2: R41.2 U6.44 | length 861.6
  Top Layer w5: v1(6672.5,3805) 6840.43,3805 6850.61,3815.18 U6.44@6850.61,3940.5
  Bottom Layer w5: R41.2@6507.44,3528.37 6456.63,3528.37 6445,3540 6445,3795 6455,3805 v1(6672.5,3805)
HV_1: R35.2 R36.1
HV_2: R36.2 R37.1
HV_3: R37.2 R38.1 | length 218.9
  Bottom Layer w13.78: R37.2@5030.26,2185.29 5077.31,2185.29 R38.1@5077.31,2013.48
IMO: R13.2 U2.6 | length 121.9
  Bottom Layer w5: U2.6@3827.05,1722.2 3935.35,1722.2 R13.2@3945,1712.56
IND_PFC_1: R3.1 R10.2
IND_PFC_2: R10.1 R12.2
L: F1.1 J1.1
  other v1: 98.43,1082.68 196.85,1082.68 295.28,1082.68 393.7,1082.68 147.64,1181.1 246.06,1181.1 344.49,1181.1 442.91,1181.1 98.43,1279.53 196.85,1279.53 295.28,1279.53 393.7,1279.53
L1_OUT: CT1.1 D2.1 L2.2 R3.2 | length 2102.8
  Top Layer w13.78: 2965,3630 3410,3630 3445,3595 3445,2810 3490,2765 3970,2765 4012.17,2722.83 CT1.1@4012.17,2502.83
  other v1: 2460.63,3543.31 2559.06,3543.31 2657.48,3543.31 2755.91,3543.31 2854.33,3543.31 2952.76,3543.31 2509.84,3641.73 2608.27,3641.73 2706.69,3641.73 2805.12,3641.73 2903.54,3641.73 3001.97,3641.73 2460.63,3740.16 2559.06,3740.16 2755.91,3740.16
L2_OUT: CT2.1 D2.3 L3.2 | length 2585.6
  Top Layer w13.78: 2335,3915 2335,3080 2385,3030 3195,3030 3225,3000 3225,2540 3267.17,2497.83 CT2.1@3575.04,2497.83
  other v1: 787.4,3641.73 885.83,3641.73 984.25,3641.73 1082.68,3641.73 738.19,3740.16 1033.46,3740.16 688.98,3838.58 787.4,3838.58 885.83,3838.58 984.25,3838.58 1082.68,3838.58 738.19,3937.01 836.61,3937.01 935.04,3937.01 1033.46,3937.01 1131.89,3937.01 1230.32,3937.01 1328.74,3937.01 1427.17,3937.01 1525.59,3937.01 1624.02,3937.01 1722.44,3937.01 1820.87,3937.01 1919.29,3937.01 2017.72,3937.01 2116.14,3937.01 2214.57,3937.01 2312.99,3937.01 2411.42,3937.01 2509.84,3937.01 2608.27,3937.01 2706.69,3937.01 2805.12,3937.01
L_EMI: C2.2 C3.2 L1.1 NTC1.2
  other v1: 1150,765 1210,840 1279.53,885.83 1377.95,885.83 1476.38,885.83 1574.8,885.83 1673.23,885.83 1328.74,984.25 1427.17,984.25 1525.59,984.25 1624.02,984.25 1722.44,984.25 1279.53,1082.68 1377.95,1082.68 1476.38,1082.68 1574.8,1082.68 1673.23,1082.68 1771.65,1082.68 1870.08,1082.68 1328.74,1181.1 1427.17,1181.1 1525.59,1181.1 1624.02,1181.1 1820.87,1181.1 1919.29,1181.1 2017.72,1181.1
L_FUSE: F1.2 NTC1.1 VR1.2
  other v1: 787.4,984.25 885.83,984.25 984.25,984.25 738.19,1082.68 836.61,1082.68 935.04,1082.68 1033.46,1082.68 688.98,1181.1 787.4,1181.1 885.83,1181.1 984.25,1181.1 738.19,1279.53 836.61,1279.53 935.04,1279.53 1033.46,1279.53
L_R: L1.2 RECT1.2 U1.1
  other v1: 2362.2,984.25 2460.63,984.25 2559.06,984.25 2755.91,984.25 2854.33,984.25 2952.76,984.25 3051.18,984.25 2561.3,1060 2758.15,1060 2856.57,1060 2955,1060 3053.43,1060
LA1: R51.2 U6.39 | length 1825.9
  Top Layer w5: v1(6715,3870) 6742.88,3870 6752.16,3879.29 U6.39@6752.18,3940.5
  Bottom Layer w5: v1(6715,3870) 6713.32,3868.32 6713.32,3863.55 6712.45,3862.68 6712.45,2492.55 6725,2480 R51.2@7052.44,2480
LA2: R52.2 U6.38 | length 1427.6
  Top Layer w5: U6.38@6732.5,3940.5 6732.88,3940.12 v1(6732.88,3888.19)
  Bottom Layer w5: v1(6732.88,3888.19) 6732.5,3887.81 6732.5,3072.5 6745,3060 7145,3060 7155,3050 R52.2@7155,2922.56
LB1: R44.2 U6.47 | length 951.1
  Top Layer w5: v1(6880,3855) 6900,3855 6909.66,3864.66 U6.47@6909.66,3940.5
  Bottom Layer w5: v1(6880,3855) 6880,3190 6890,3180 R44.2@7052.44,3180
LB2: R46.2 U6.46 | length 562.8
  Top Layer w5: v1(6890,3880) U6.46@6889.98,3940.5
  Bottom Layer w5: v1(6890,3880) 6905,3880 6910,3875 6910,3535 6916.63,3528.37 R46.2@7047.44,3528.37
M_DIR: D8.1 J3.1 R56.1 U8.19 | length 1783.8
  Top Layer w5: v1(5664.59,4685) 6420,4685 6430,4675 v1(6430,4335)
  Bottom Layer w5: 5215,4480 5215,4675 5225,4685 v1(5664.59,4685) ; U8.19@6404.88,4335.98 6405.87,4335 v1(6430,4335)
M_EN: D8.2 J3.2 R57.1 U8.18 | length 2163.7
  Top Layer w5: v1(5605,4705) 6445,4705 6455,4695 v1(6455,4355)
  Bottom Layer w5: 4905,4480 4905,4694.99 4915.01,4705 v1(5605,4705) ; U8.18@6404.88,4355.67 6405.55,4355 v1(6455,4355)
M_VBUS: C24.1 C25.1 C26.2 C27.2 C28.2 C37.1 C54.2 C55.2 C56.1 C58.2 C60.2 C65.2 Q6.4 Q7.4 Q10.4 Q11.4 R21.2 R23.1 R27.1 R29.1 R34.2 R58.2 T1.1 T1.2 U6.4 U6.33 U7.5 | length 2653.7
  Top Layer w5: R34.2@5867.1,2208.93 5922.86,2208.93 ; 5915.73,2208.93 5922.86,2201.8 ; R21.2@5980,2207.56 ccw(c5978.63,2207.56) 5978.63,2208.93 5930,2208.93 ; 6675,2010 5935,2010 5922.86,2022.14 5922.86,2201.8 ; 5922.86,2201.8 5922.86,2208.93 ; 5922.86,2201.8 5930,2208.93 ; 5922.86,2208.93 5930,2208.93
  Top Layer w11.81: U7.5@5656.69,3884.45 5656.69,3708.31 5665,3700 5940,3700 ; Q11.4@6404.37,3618.67 6511.08,3725.39 C55.2@6511.08,4000.23 C56.1@6511.08,4075.23 ; C56.1@6497.3,4093.93 6511.08,4080.15 C56.1@6511.08,4075.23 ; v1(6703.36,4056.64) U6.33@6655.73,4056.64 6602.33,4056.64 6595.41,4063.56 6595.41,4065.82 6581.63,4079.6 C58.2@6576.71,4079.6 6515.45,4079.6 C56.1@6511.08,4075.23 ; U6.4@6986.44,4056.64 7018.61,4056.64 7019.47,4057.5 v1(7020,4057.5)
  Bottom Layer w11.81: v1(6703.36,4056.64) 6718.36,4056.64 6744.32,4030.68 6915.68,4030.68 6927.56,4042.56 6980,4042.56 6987.44,4050 C60.2@6992.44,4050 ; C60.2@6985,4042.56 C60.2@6992.44,4050 ; v1(7020,4057.5) 7019.6,4057.5 7012.1,4050 C60.2@6992.44,4050
  other v1: 5975,2500 6060,2500 6145,2500 5975,2580 6060,2580 6145,2580 5975,2660 6060,2660 6145,2660 5975,2880 6060,2880 6145,2880 5975,2960 6060,2960 6145,2960 5975,3040 6060,3040 6145,3040 5975,3120 6060,3120 6145,3120 5975,3200 6060,3200 6145,3200 5975,3280 6060,3280 6145,3280
MCU_XTAL_N: C79.1 U8.6 Y1.3 | length 214.2
  Bottom Layer w5: U8.6@6258.43,4482.44 6258.43,4490.56 6253.58,4495.4 6253.58,4505 6268.58,4520 6285,4520 6335,4570 6335,4579.99 C79.1@6318.94,4596.05 6284.77,4630.22 Y1.3@6284.77,4630.49
MCU_XTAL_P: C80.1 U8.5 Y1.1 | length 219.7
  Bottom Layer w5: Y1.1@6206.82,4619.36 6155,4567.53 6155,4555 6195,4515 6233.58,4515 6243.58,4505 6243.58,4495.4 6238.74,4490.56 U8.5@6238.74,4482.44
MCUSW1: R65.1 SW1.1 U8.39 | length 1498.3
  Top Layer w5: v1(5963.33,4580) 5983.33,4600 6075,4600 6090,4585 6090,4570 6048.96,4528.96 6001.04,4528.96 5990.45,4518.38 5990.45,4460.45 6000.91,4450 6085,4450 6097.22,4437.78 v1(6097.22,4276.96)
  Bottom Layer w5: R65.1@5632.56,4225 SW1.1@5690,4225 5785,4225 5795,4235 5795,4660.9 5806.75,4672.65 5952.35,4672.65 5963.33,4661.67 v1(5963.33,4580) ; v1(6097.22,4276.96) U8.39@6131.62,4276.96
MCUSW2: R66.1 SW1.2 U8.40 | length 1288.3
  Top Layer w5: v1(5990,4580) 5950,4540 5950,4345 5955,4340 5990,4340 5995,4335 v1(5995,4295)
  Bottom Layer w5: R66.1@5632.56,4325 SW1.2@5690,4325 5772.07,4325 5784.04,4336.96 5784.04,4671.24 5795.45,4682.65 5982.35,4682.65 5990,4675 v1(5990,4580) ; v1(5995,4295) 6007.26,4282.74 6078.32,4282.74 6092.85,4297.26 6131,4297.26 U8.40@6131.65,4296.61